# Altium PCB PROC054D_MMWCAS_RF_EVM.PcbDoc (part 7 of 14)
Units mil, origin at the board's own origin, x right, y up, seen from the top; angles counter-clockwise.
Board outline 6299.21 x 5370.07 mil, 8 copper layers (L1 TOP, L2 GND, L3 SIGNAL 1, L4 GND, L5 SIGNAL 2, L6 SIGNAL 3, L7 GND, L8 BOTTOM), stack 53.5 mil thick; 775 components, 552 nets, 2648 pads, 7845 vias.
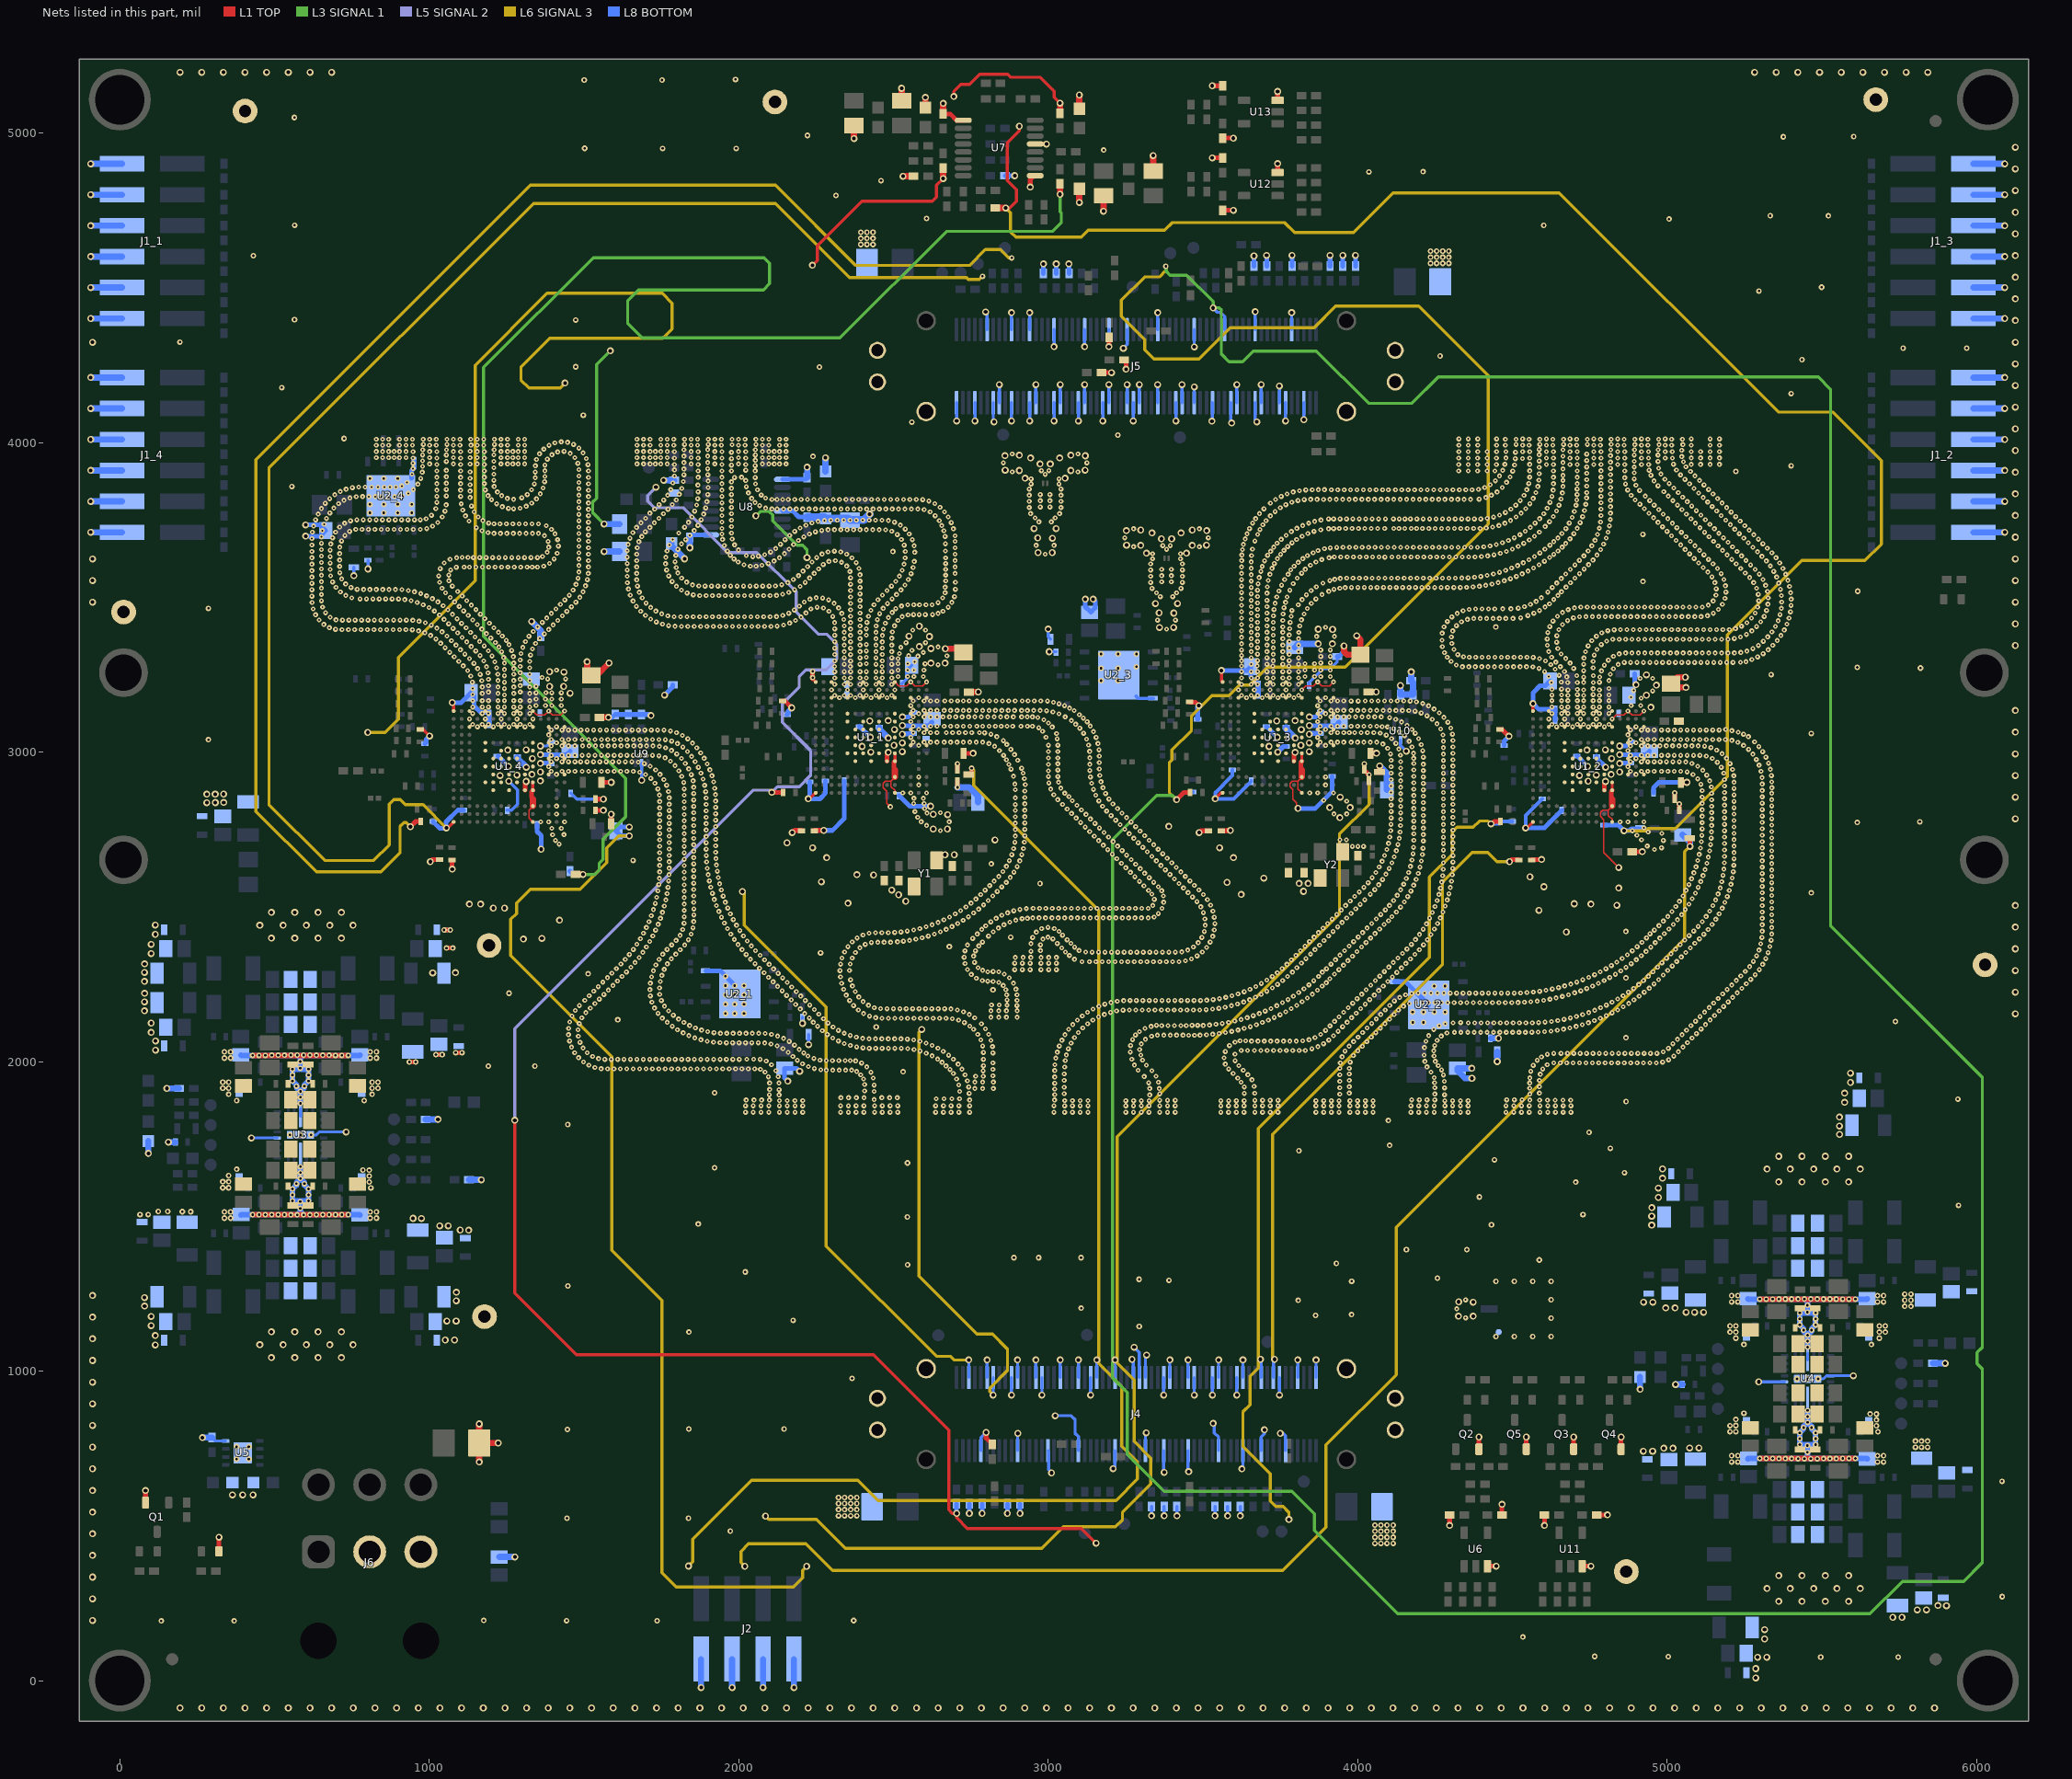
[diagram p13: the nets of this part, all layers, seen from the top]

## Via types
v1: diameter 13.77/15.74 (per signal layer), hole 5.9, L1 TOP to L2 GND, tented both sides, 5522 vias
v2: diameter 22.4, hole 12.2, L1 TOP to L8 BOTTOM, tented both sides, 1522 vias
v3: diameter 18, hole 8, L1 TOP to L8 BOTTOM, tented both sides, 727 vias
v4: diameter 18, hole 7.87, L1 TOP to L8 BOTTOM, tented top, 50 vias
v5: diameter 24, hole 12, L1 TOP to L8 BOTTOM, tented both sides, 13 vias
v6: diameter 19.68, hole 7.87, L1 TOP to L8 BOTTOM, tented top, 10 vias
v7: diameter 13.77/15.74 (per signal layer), hole 5.9, L1 TOP to L2 GND, tented top, 1 vias

## Nets (pads, with @x,y where several pads share a name; then routed paths per layer and width w, separated by ;. In a path a pad name is that pad's centre, name@x,y a point inside that pad or via, vN(x,y) a via of type N, cw(c..) or ccw(c..) an arc to the next point about the centre after c; other vN are vias at no path point) (continued)
GND: C1_1.2 C1_2.2 C1_3.2 C1_4.2 C2_1.2 C2_2.2 C2_3.2 C2_4.2 C3_1.2 C3_2.2 C3_3.2 C3_4.2 C4_1.2 C4_2.2 C4_3.2 C4_4.2 C5_1.2 C5_2.2 C5_3.2 C5_4.2 C6_1.2 C6_2.2 C6_3.2 C6_4.2 C7_1.2 C7_2.2 C7_3.2 C7_4.2 C8_1.2 C8_2.2 C8_3.2 C8_4.2 C9.2 C10.2 C11.2 C12.2 C13.2 C14.2 C15.2 C16.2 C17.2 C18.2 C19.2 C20.2 C21.2 C22.2 C23.2 C24.2 C25.2 C26.2 C27.2 C28.2 C29.2 C30.2 C31.2 C32.2 C33.2 C34.2 C35.2 C36.2 C39.2 C40.2 C41.2 C42.2 C43.2 C44.2 C45.2 C46.2 C47.2 C48.2 C51.2 C52.2 C53.2 C54.2 C55.2 C56.2 C57.2 C58.2 C59.2 C60.2 C61.2 C62.2 C63.2 C64.2 C65.2 C66.2 C67.2 C68.2 C69.2 C70.2 C71.2 C72.2 C73.2 C74.2 C75.2 C76.2 C77.2 C78.2 C79.2 C80.2 C81.2 C82.2 C83.2 C84.2 C85.2 C86.2 C87.2 C88.2 C89.2 C90.2 C91.2 C92.2 C93.2 C94.2 C97.2 C98.2 C99.2 C100.2 C101.2 C102.2 C103.2 C104.2 C105.2 C106.2 C109.2 C110.2 C111.2 C112.2 C113.2 C114.2 C115.2 C116.2 C117.2 C118.2 C119.2 C120.2 C121.2 C122.2 C123.2 C124.2 C125.2 C126.2 C127.2 C128_1.2 C128_2.2 C128_3.2 C128_4.2 C129_1.2 C129_2.2 C129_3.2 C129_4.2 C130_1.2 C130_2.2 C130_3.2 C130_4.2 C131_1.2 C131_2.2 C131_3.2 C131_4.2 C132_1.2 C132_2.2 C132_3.2 C132_4.2 C133_1.2 C133_2.2 C133_3.2 C133_4.2 C134_1.2 C134_2.2 C134_3.2 C134_4.2 C135_1.2 C135_2.2 C135_3.2 C135_4.2 C136_1.2 C136_2.2 C136_3.2 C136_4.2 C137_1.2 C137_2.2 C137_3.2 C137_4.2 C138_1.2 C138_2.2 C138_3.2 C138_4.2 C139_1.2 C139_2.2 C139_3.2 C139_4.2 C140_1.2 C140_2.2 C140_3.2 C140_4.2 C141_1.2 C141_2.2 C141_3.2 C141_4.2 C142_1.2 C142_2.2 C142_3.2 C142_4.2 C143_1.2 C143_2.2 C143_3.2 C143_4.2 C144_1.2 C144_2.2 C144_3.2 C144_4.2 C145_1.2 C145_2.2 C145_3.2 C145_4.2 C146_1.2 C146_2.2 C146_3.2 C146_4.2 C147_1.2 C147_2.2 C147_3.2 C147_4.2 C148_1.2 C148_2.2 C148_3.2 C148_4.2 C149.2 C150.2 C151.2 C152.2 C153.2 C154.2 C155.2 C156.2 C157.2 C158.2 C159.2 C160.2 C161.2 C162.2 C163.2 C164.2 C165.2 C166.2 C167.2 C168.1 C169.2 C170.2 C171.1 C172.2 C173.2 C174.2 C175.2 C176.2 C177.2 C178.1 C179.2 C180.1 C181.2 C182.2 C183.1 C184.2 C185.2 C186.2 C187.1 C188.2 C189.1 C190.2 C191.2 C192.2 C193.2 C194.2 C195.2 C196.2 C197.2 C198.2 C199.2 C200.2 C201.2 C202.2 C203.2 C204.2 C205.2 C206.2 C207.2 DS1.2 J1_1.2 J1_1.4 J1_1.6 J1_1.8 J1_1.10 J1_1.12 J1_2.2 J1_2.4 J1_2.6 J1_2.8 J1_2.10 J1_2.12 J1_3.2 J1_3.4 J1_3.6 J1_3.8 J1_3.10 J1_3.12 J1_4.2 J1_4.4 J1_4.6 J1_4.8 J1_4.10 J1_4.12 J2.2 J2.4 J2.6 J2.8 J3.2 J4.3 J4.6 J4.7 J4.10 J4.11 J4.14 J4.15 J4.18 J4.21 J4.23 J4.24 J4.27 J4.30 J4.31 J4.32 J4.35 J4.36 J4.39 J4.40 J4.43 J4.44 J4.47 J4.48 J4.51 J4.53 J4.54 J4.57 J4.60 J4.65 J4.71 J4.76 J4.81 J4.87 J4.92 J4.95 J4.99 J4.104 J4.108 J4.111 J4.115 J4.MH1 J4.MH2 J4.P1 J4.P2 J5.6 J5.10 J5.13 J5.17 J5.22 J5.26 J5.29 J5.34 J5.40 J5.45 J5.50 J5.56 J5.61 J5.64 J5.67 J5.68 J5.70 J5.73 J5.74 J5.77 J5.78 J5.81 J5.82 J5.85 J5.86 J5.89 J5.90 J5.91 J5.94 J5.97 J5.98 J5.100 J5.103 J5.106 J5.107 J5.110 J5.111 J5.114 J5.115 J5.118 J5.MH1 J5.MH2 J5.P3 J5.P4 J6.2 J6.3 Q1.2 Q2.2 Q3.2 Q4.2 Q5.2 R16_1.1 R16_2.1 R16_3.1 R16_4.1 R17_1.1 R17_2.1 R17_3.1 R17_4.1 R18_1.1 R18_2.1 R18_3.1 R18_4.1 R20.1 R36.1 R39.1 R40.1 R41.1 R42.1 R55.1 R57.1 R58.1 R60.1 R63.1 R64.1 R65.1 R66.1 R79.2 R81.1 R82.2 R83.2 R84.2 R85.2 R110.1 R111.1 R113.1 R124.1 R128.2 R129.1 R130.1 R131.1 R139.1 R144.1 R165.1 R182_1.1 R182_2.1 R182_3.1 R182_4.1 R183_1.1 R183_2.1 R183_3.1 R183_4.1 R184_1.1 R184_2.1 R184_3.1 R184_4.1 R185_1.1 R185_2.1 R185_3.1 R185_4.1 TP16.1 TP17.1 TP18.1 TP19.1 TP20.1 TP25.1 TP29.1 TP30.1 U1_1.A1 U1_1.A3 U1_1.A5 U1_1.A7 U1_1.A9 U1_1.A15 U1_1.B3 U1_1.B5 U1_1.B7 U1_1.B9 U1_1.B13 U1_1.B14 U1_1.C1 U1_1.C3 U1_1.C4 U1_1.C5 U1_1.C6 U1_1.C7 U1_1.C8 U1_1.C9 U1_1.C15 U1_1.D15 U1_1.E1 U1_1.E2 U1_1.E3 U1_1.E5 U1_1.E6 U1_1.E8 U1_1.E10 U1_1.E11 U1_1.E13 U1_1.E15 U1_1.F3 U1_1.F9 U1_1.F11 U1_1.G1 U1_1.G2 U1_1.G3 U1_1.G6 U1_1.G7 U1_1.G8 U1_1.G10 U1_1.H3 U1_1.H7 U1_1.H9 U1_1.H11 U1_1.J1 U1_1.J2 U1_1.J3 U1_1.J6 U1_1.J7 U1_1.J8 U1_1.J10 U1_1.K3 U1_1.K7 U1_1.K8 U1_1.K9 U1_1.K10 U1_1.K11 U1_1.L1 U1_1.L2 U1_1.L3 U1_1.L5 U1_1.L6 U1_1.L8 U1_1.L10 U1_1.M3 U1_1.N1 U1_1.N2 U1_1.N3 U1_1.R1 U1_1.R15 U1_2.A1 U1_2.A3 U1_2.A5 U1_2.A7 U1_2.A9 U1_2.A15 U1_2.B3 U1_2.B5 U1_2.B7 U1_2.B9 U1_2.B13 U1_2.B14 U1_2.C1 U1_2.C3 U1_2.C4 U1_2.C5 U1_2.C6 U1_2.C7 U1_2.C8 U1_2.C9 U1_2.C15 U1_2.D15 U1_2.E1 U1_2.E2 U1_2.E3 U1_2.E5 U1_2.E6 U1_2.E8 U1_2.E10 U1_2.E11 U1_2.E13 U1_2.E15 U1_2.F3 U1_2.F9 U1_2.F11 U1_2.G1 U1_2.G2 U1_2.G3 U1_2.G6 U1_2.G7 U1_2.G8 U1_2.G10 U1_2.H3 U1_2.H7 U1_2.H9 U1_2.H11 U1_2.J1 U1_2.J2 U1_2.J3 U1_2.J6 U1_2.J7 U1_2.J8 U1_2.J10 U1_2.K3 U1_2.K7 U1_2.K8 U1_2.K9 U1_2.K10 U1_2.K11 U1_2.L1 U1_2.L2 U1_2.L3 U1_2.L5 U1_2.L6 U1_2.L8 U1_2.L10 U1_2.M3 U1_2.N1 U1_2.N2 U1_2.N3 U1_2.R1 U1_2.R15 U1_3.A1 U1_3.A3 U1_3.A5 U1_3.A7 U1_3.A9 U1_3.A15 U1_3.B3 U1_3.B5 U1_3.B7 U1_3.B9 U1_3.B13 U1_3.B14 U1_3.C1 U1_3.C3 U1_3.C4 U1_3.C5 U1_3.C6 U1_3.C7 U1_3.C8 U1_3.C9 U1_3.C15 U1_3.D15 U1_3.E1 U1_3.E2 U1_3.E3 U1_3.E5 U1_3.E6 U1_3.E8 U1_3.E10 U1_3.E11 U1_3.E13 U1_3.E15 U1_3.F3 U1_3.F9 U1_3.F11 U1_3.G1 U1_3.G2 U1_3.G3 U1_3.G6 U1_3.G7 U1_3.G8 U1_3.G10 U1_3.H3 U1_3.H7 U1_3.H9 U1_3.H11 U1_3.J1 U1_3.J2 U1_3.J3 U1_3.J6 U1_3.J7 U1_3.J8 U1_3.J10 U1_3.K3 U1_3.K7 U1_3.K8 U1_3.K9 U1_3.K10 U1_3.K11 U1_3.L1 U1_3.L2 U1_3.L3 U1_3.L5 U1_3.L6 U1_3.L8 U1_3.L10 U1_3.M3 U1_3.N1 U1_3.N2 U1_3.N3 U1_3.R1 U1_3.R15 U1_4.A1 U1_4.A3 U1_4.A5 U1_4.A7 U1_4.A9 U1_4.A15 U1_4.B3 U1_4.B5 U1_4.B7 U1_4.B9 U1_4.B13 U1_4.B14 U1_4.C1 U1_4.C3 U1_4.C4 U1_4.C5 U1_4.C6 U1_4.C7 U1_4.C8 U1_4.C9 U1_4.C15 U1_4.D15 U1_4.E1 U1_4.E2 U1_4.E3 U1_4.E5 U1_4.E6 U1_4.E8 U1_4.E10 U1_4.E11 U1_4.E13 U1_4.E15 U1_4.F3 U1_4.F9 U1_4.F11 U1_4.G1 U1_4.G2 U1_4.G3 U1_4.G6 U1_4.G7 U1_4.G8 U1_4.G10 U1_4.H3 U1_4.H7 U1_4.H9 U1_4.H11 U1_4.J1 U1_4.J2 U1_4.J3 U1_4.J6 U1_4.J7 U1_4.J8 U1_4.J10 U1_4.K3 U1_4.K7 U1_4.K8 U1_4.K9 U1_4.K10 U1_4.K11 U1_4.L1 U1_4.L2 U1_4.L3 U1_4.L5 U1_4.L6 U1_4.L8 U1_4.L10 U1_4.M3 U1_4.N1 U1_4.N2 U1_4.N3 U1_4.R1 U1_4.R15 U2_1.4 U2_1.9 U2_2.4 U2_2.9 U2_3.4 U2_3.9 U2_4.4 U2_4.9 U3.4 U3.11 U3.17 U3.24 U3.27 U4.4 U4.11 U4.17 U4.24 U4.27 U5.4 U5.9 U6.3 U7.1 U7.9 U7.13 U8.1 U8.9 U8.13 U9.2 U10.2 U11.3 U12.3 U13.3 Y1.2 Y1.4 Y2.2 Y2.4 | length 97013.7
  L1 TOP w4: U1_4.E15@1334.67,2774.36 1322.17,2786.86 1322.17,2812.15 U1_4.E13@1335.11,2825.1 ; U1_4.E1@1334.67,3132.63 1347.46,3119.83 1373.04,3119.83 v1(1385.84,3132.63) 1398.64,3119.83 1424.22,3119.83 v1(1437.02,3132.63) ; v3(2490.03,2823.1) 2478.83,2834.3 2478.83,2873.17 2466.58,2885.42 2466.58,2899.13 2473.9,2906.45 2491.87,2906.45 ; U1_1.E15@2504.67,2868.36 2504.66,2876.28 2492.16,2888.78 2492.16,2906.16 U1_1.E13@2505.11,2919.1 ; U1_1.E1@2504.67,3226.63 2517.46,3213.83 2543.04,3213.83 v1(2555.84,3226.63) 2568.64,3213.83 2594.22,3213.83 v1(2607.02,3226.63) ; 3806.87,2906.45 3788.9,2906.45 3781.58,2899.13 3781.58,2888.42 3790.01,2879.99 3790.01,2876.99 3790.32,2876.68 3790.32,2847.83 3802.07,2836.08 3802.07,2823.61 v2(3807.43,2818.25) ; 3806.86,2906.75 U1_3.E13@3819.66,2919.55 ; 3807.16,2906.16 3807.16,2880.87 U1_3.E15@3819.67,2868.36 ; v1(3819.65,3201.04) 3832.45,3213.83 3858.04,3213.83 v1(3870.84,3226.63) 3883.64,3213.83 3909.22,3213.83 v1(3922.02,3226.63) ; 4809.87,2812.45 4791.9,2812.45 4784.58,2805.13 4784.58,2792.42 4795.84,2781.16 4795.84,2675.16 v2(4844,2627) ; U1_2.E15@4822.67,2774.36 4822.66,2782.04 4810.16,2794.54 4810.16,2813.04 U1_2.E13@4822.67,2825.54 ; v1(4822.65,3107.04) 4835.45,3119.83 4861.04,3119.83 v1(4873.84,3132.63) 4886.64,3119.83 4912.22,3119.83 v1(4925.02,3132.63)
  L1 TOP w10: C142_4.2@971.49,3073.71 979.29,3073.71 v2(1001,3052) ; v2(1055,2755) 1059.39,2755 U1_4.R15@1078.76,2774.36 ; v2(1074,3160) 1074,3159 1078.76,3154.24 U1_4.R1@1078.76,3132.63 ; v2(1276.21,1810.62) 1276.21,1252.63 1475.45,1053.39 2435.03,1053.39 2678.72,809.71 2678.72,551.71 2690.15,540.28 v2(2704.21,540.28) 2704.21,526.22 2739.03,491.4 3107.72,491.4 v2(3154.94,444.18) ; U1_4.E11@1334.67,2876.72 U1_4.E10@1334.67,2902.31 ; v2(2225,2849) 2229.39,2849 U1_1.R15@2248.76,2868.36 ; v2(2238.18,4572.97) 2253.52,4588.31 2253.52,4635.76 2397.99,4780.23 2625.19,4780.23 2638.72,4793.75 2638.72,4831.4 v2(2660.57,4853.25) ; v3@2238.94,3236.45 U1_1.R1@2248.76,3226.63 ; U1_1.E11@2504.67,2970.72 U1_1.E10@2504.67,2996.31 ; v2(2694.72,5118.56) 2694.72,5134.48 2718.04,5157.8 2746.02,5157.8 2778.24,5190.02 2869.82,5190.02 2879.64,5180.2 2974.34,5180.2 3019.01,5135.53 3019.01,5116.08 v2(3038.3,5096.79) ; v2(2862.9,4758.04) 2875.91,4758.04 2897.22,4779.35 2897.22,4816.55 2867.45,4846.32 2867.45,4968.24 2906.95,5007.73 v2(2906.95,5022.04) ; v2(3540,2849) 3559.37,2868.37 U1_3.R15@3563.76,2868.36 ; v2(3560,3264) 3560,3230.39 U1_3.R1@3563.76,3226.63 ; U1_3.E11@3819.67,2970.72 U1_3.E10@3819.67,2996.31 ; v2(4543,2755) 4547.39,2755 U1_2.R15@4566.76,2774.36 ; U1_2.R1@4566.76,3132.63 v2(4566.76,3157) ; U1_2.E11@4822.67,2876.73 U1_2.E10@4822.67,2902.32
  L1 TOP w15: Q1.2@83.04,575.13 v2(83.04,614.28) ; DS1.2@320.44,417.61 v2(320.44,463.54) ; v3(935.65,1998.68) v3(955.73,1998.68) ; v2(938.8,2759) 955.8,2776 C146_4.2@972.8,2776 ; v2(1003,2646) 1010,2653 C147_4.2@1033,2653 ; v3(1021.36,2022.88) v3(1041.44,2022.88) ; v3(1047.77,2425.1) v3(1067.85,2425.1) ; v3(1055.74,2366.96) v3(1075.82,2366.96) ; v2(1074,2621.58) C143_4.2@1074,2651.58 ; v3(1085.39,2028.93) v3(1105.47,2028.93) ; U1_4.F11@1309.07,2876.72 1309.07,2901.28 v2(1313.09,2905.3) ; 1334.66,2848.26 1334.66,2851.79 1331.09,2855.36 1331.09,2873.16 U1_4.E11@1334.67,2876.72 ; C132_4.2@1536.84,2812.06 v2(1562.37,2812.06) ; C131_4.2@1536.84,2848.02 v2(1562.37,2848.02) ; C3_4.2@1553.47,2902.31 C3_4.2@1556.55,2902.31 v2(1587.65,2902.31) ; C1_4.2@1587.76,2768.38 v2(1587.76,2799.08) ; v2(2107,2870) C146_1.2@2143.58,2870 ; C142_1.2@2141.49,3165.71 2148.29,3165.71 v2(2171,3143) ; v2(2173,2740) 2180,2747 C147_1.2@2203,2747 ; v3@2238.94,3236.45 v3(2238.94,3240.84) v3(2238.94,3260.92) ; C143_1.2@2244,2747 v2(2275,2747) ; U1_1.F11@2479.07,2970.72 2479.07,2995.28 v2(2483.09,2999.3) ; 2504.66,2942.26 2504.66,2945.79 2501.09,2949.36 2501.09,2967.16 U1_1.E11@2504.67,2970.72 ; C170.2@2660.57,5062.11 2683.18,5062.11 2703.79,5041.49 U7.1@2725.57,5041.49 ; v3(2706.84,2885.69) C132_1.2@2706.84,2906.06 ; C131_1.2@2706.84,2942.02 v3(2706.84,2962.39) ; C3_1.2@2726.55,2996.31 v2(2757.65,2996.31) ; C1_1.2@2742.78,2927.55 2748.78,2927.55 2752.78,2931.55 v3(2752.78,2947.92) ; v2(2799.43,801.89) 2799.43,783.81 R184_1.1@2820,763.24 ; v2(2942.06,4825.56) 2942.06,4849.52 2954.9,4862.36 U7.9@2957.85,4862.36 ; U7.13@2957.85,4964.72 v2(2994.73,4964.72) ; R182_4.1@3172.29,4226.15 v2(3204.44,4226.15) ; v2(3196.34,4310.12) R184_4.1@3196.34,4340.03 ; R183_4.1@3245.29,4267.15 3251.46,4260.98 v2(3251.46,4237.17) ; v2(3415,2845.99) 3439,2869.99 C146_3.2@3458.58,2870 ; C142_3.2@3457.49,3161.29 3475.71,3161.29 v2(3487,3150) ; v2(3488,2739.99) 3493.59,2745.58 C147_3.2@3518,2745.58 ; v2(3530.11,4919.87) C94.2@3564.27,4919.87 ; v2(3530.11,5152.92) C149.2@3564.27,5152.92 ; C143_3.2@3559,2745.58 3575.34,2745.58 3576.75,2746.99 v2(3589,2746.99) ; C164.2@3564.27,4750.58 v2(3598.42,4750.58) ; C165.2@3564.27,4983.63 v2(3598.42,4983.63) ; U12.3@3741.51,4872.63 v2(3741.51,4901.32) ; U13.3@3741.51,5105.67 v2(3741.51,5134.37) ; U1_3.F11@3794.07,2970.72 3794.07,2995.28 v2(3798.09,2999.3) ; 3819.66,2942.26 3819.66,2945.79 3816.09,2949.36 3816.09,2967.16 U1_3.E11@3819.67,2970.72 ; v3(4021.84,2962.39) C132_3.2@4021.84,2942.02 4021.84,2941.43 v3(4036.84,2926.43) C131_3.2@4036.84,2906.06 ; C4_3.2@4035.05,3194.3 v2(4060.01,3194.3) ; v2(4297.35,501.48) C162.2@4297.35,535.63 ; Q2.2@4391.79,747.96 v2(4391.79,787.12) ; U6.3@4419.39,369.58 v2(4447.63,369.58) ; v2(4431,2767.99) 4434,2767.99 4442,2775.99 C146_2.2@4461.58,2776 ; C143_2.2@4459.99,3073.71 4466.29,3073.71 v2(4489,3051) ; C205.2@4466.64,535.63 v2(4466.64,569.79) ; v2(4491,2646) 4498,2653 C147_2.2@4521,2653 ; Q5.2@4545.01,747.96 v2(4545.01,787.12) ; C142_2.2@4562,2653 v2(4594.6,2653) ; v2(4603.8,501.48) C163.2@4603.8,535.63 ; Q3.2@4698.24,747.96 v2(4698.24,787.12) ; U11.3@4725.84,369.58 v2(4754.08,369.58) ; C206.2@4773.09,535.63 v2(4807.24,535.63) ; U1_2.F11@4797.07,2876.73 4797.07,2901.28 v2(4801.09,2905.3) ; 4822.66,2848.26 4822.66,2851.79 4819.09,2855.36 4819.09,2873.16 U1_2.E11@4822.67,2876.73 ; Q4.2@4851.46,747.96 v2(4851.46,787.12) ; R129.1@4887.26,2678.08 v2(4919.89,2678.08) ; C131_2.2@5024.84,2848.02 v3(5024.84,2868.39) ; C132_2.2@5039.84,2812.06 v3(5039.84,2832.43) ; v2(5074.3,2695.45) C1_2.2@5074.3,2721.83
  L1 TOP w18: v3(429.13,1505.67) v3(449.72,1505.67) v3(470.3,1505.67) v3(696.77,1505.67) v3(717.36,1505.67) v3(737.95,1505.67) ; v3(429.13,2020.25) v3(449.72,2020.25) v3(470.3,2020.25) v3(696.77,2020.25) v3(717.36,2020.25) v3(737.95,2020.25) ; v3(5299.85,717.82) v3(5320.44,717.82) v3(5341.03,717.82) v3(5567.5,717.82) v3(5588.08,717.82) v3(5608.67,717.82) ; v3(5299.85,1232.4) v3(5320.44,1232.4) v3(5341.03,1232.4) v3(5567.5,1232.4) v3(5588.08,1232.4) v3(5608.67,1232.4)
  L1 TOP w20: v2(1161.36,706.2) C194.2@1161.36,767.73 ; v2(1161.36,829.27) C194.2@1161.36,767.73 ; v2(1222.9,767.73) C194.2@1161.36,767.73 ; U1_4.E13@1334.66,2825.55 1334.66,2848.26 ; R131.1@1472.35,2604.99 1472.48,2604.86 v2(1496.6,2604.86) ; v2(1510,3292) 1510,3261.9 C5_4.2@1523.9,3248 1541.11,3248 v2(1581,3287.89) ; C4_4.2@1550.05,3112.3 v2(1579.01,3112.3) ; v2(2372.39,4982.34) C169.2@2372.39,5024.49 ; U1_1.E13@2504.66,2919.55 2504.66,2942.26 ; C172.2@2526.41,5104.49 v2(2526.41,5144.71) ; v2(2531.11,4860.7) R111.1@2564.74,4860.7 ; C171.1@2603.2,5081.97 v2(2603.2,5115.2) ; v2(2660.57,4853.25) R113.1@2660.57,4886.89 ; C170.2@2660.57,5062.11 v2(2660.57,5095.75) ; v2(2667.72,3333.88) 2708.69,3333.88 C5_1.2@2720.58,3321.99 ; C4_1.2@2743.75,3194.3 v2(2774.01,3194.3) ; R124.1@2829.26,4758.04 v2(2862.9,4758.04) ; v2(3038.3,4802.35) C177.2@3038.3,4835.99 ; C179.2@3038.3,5063.15 v2(3038.3,5096.79) ; v2(3100.57,4775.82) C180.1@3100.57,4820.24 ; C178.1@3100.57,5078.9 v2(3100.57,5123.32) ; v2(3178.88,4747.74) C176.2@3178.88,4797.72 ; C175.2@3339.25,4877.72 v2(3339.25,4927.69) ; U1_3.E13@3819.66,2919.55 3819.66,2942.26 ; v2(3956.01,3343) 3956.01,3324.56 3965.57,3315 C5_3.2@4008.9,3315 4008.9,3364.11 v2(3997.01,3376) ; C3_3.2@4041.55,2996.31 v2(4060.98,2996.31) ; C1_3.2@4071.3,2935.83 v2(4071.3,2955.26) ; U1_2.E13@4822.66,2825.55 4822.66,2848.26 ; C5_2.2@5023.9,3209 C5_2.2@5024.4,3209 ; C5_2.2@5032.9,3242 C5_2.2@5033.4,3242 ; C3_2.2@5044.55,2902.32 v2(5063.98,2902.32) ; v2(5059.01,3242) C5_2.2@5033.4,3242 ; v2(5061.01,3209) C5_2.2@5024.4,3209 ; C5_2.2@5024.4,3209 C5_2.2@5012.4,3221 C5_2.2@5033.4,3242
  L3 SIGNAL 1 w10: v2(1496.6,2604.86) 1534.82,2604.86 1549.07,2619.11 1549.07,2640.97 1561.74,2653.64 1561.74,2718.45 1634.19,2790.89 1634.19,2915.19 1175.4,3373.98 1175.4,4242.81 1530.09,4597.5 2081.24,4597.5 2099.91,4578.84 2099.91,4513.4 2079.86,4493.35 1675.38,4493.35 1641.2,4459.18 1641.2,4385.13 1688.16,4338.17 2327.35,4338.17 2671.64,4682.46 3012.93,4682.46 3042.49,4712.01 3042.49,4741.62 3038.3,4745.81 v2(3038.3,4802.35) ; v2(1565.04,3737.01) 1528.14,3773.91 1528.14,3807.93 1540.62,3820.41 1540.62,4252.03 v2(1585.07,4296.48) ; v2(2055.22,3763.57) 2069.16,3777.51 2098.33,3777.51 2109.76,3766.07 2109.76,3747.19 2189.11,3667.84 2206.82,3667.84 2220.6,3654.06 v2(2220.6,3628.64) ; v3(3380.12,4569.57) 3380.12,4554.81 3394.25,4540.68 3447.6,4540.68 3533,4455.28 v2(3533,4435) 3553.28,4435 3559.52,4428.76 3559.52,4286.36 3584.58,4261.29 3627.97,4261.29 3662.27,4295.59 3866.56,4295.59 4035.24,4126.91 4175.52,4126.91 4260.9,4212.29 5488.71,4212.29 5528.29,4172.71 5528.29,2439.34 6018.9,1948.73 6018.9,1076.4 6002.23,1059.73 6002.23,1024 6018.9,1007.33 6018.9,380.58 5959.18,320.85 5760.45,320.85 5656.07,216.48 4129.23,216.48 3860.56,485.15 3860.56,538.76 3788.12,611.2 3375.2,611.2 3255.87,730.52 3255.87,930.64 3208.58,977.94 3208.58,1028.58 v2(3216.02,1036.02) 3208.58,1043.46 3208.58,2717.91 3350.1,2859.43 3401.56,2859.43 v2(3415,2845.99)
  L3 SIGNAL 1 w15: v3(935.65,1998.68) v3(955.73,1998.68) ; v3(1021.36,2022.88) v3(1041.44,2022.88) ; v3(1047.77,2425.1) v3(1067.85,2425.1) ; v3(1055.74,2366.96) v3(1075.82,2366.96) ; v3(1085.39,2028.93) v3(1105.47,2028.93) ; v3(2238.94,3240.84) v3(2238.94,3260.92)
  L5 SIGNAL 2 w10: v2(1276.21,1810.62) 1276.21,2105.92 2047.4,2877.11 2099.45,2877.11 v2@2105.97,2870.6 ; v2(1732.45,3856.27) 1705.55,3829.37 1705.55,3811 1727.03,3789.52 1820.05,3789.52 1964.61,3644.96 2058.58,3644.96 2185.32,3518.22 2185.32,3452.29 2256.62,3380.99 2284.38,3380.99 2317.07,3348.29 2317.07,3300.46 2282.56,3265.94 2217.15,3265.94 2195.43,3244.22 2195.43,3210.51 2140.68,3155.76 2140.68,3096.7 2232.53,3004.84 2232.53,2924.69 2196.25,2888.41 2125.41,2888.41 v2(2107,2870)
  L5 SIGNAL 2 w15: v3(935.65,1998.68) v3(955.73,1998.68) ; v3(1021.36,2022.88) v3(1041.44,2022.88) ; v3(1047.77,2425.1) v3(1067.85,2425.1) ; v3(1055.74,2366.96) v3(1075.82,2366.96) ; v3(1085.39,2028.93) v3(1105.47,2028.93) ; v3(2238.94,3240.84) v3(2238.94,3260.92)
  L6 SIGNAL 3 w10: v2(800.96,3063.54) 857.27,3063.54 900.58,3106.85 900.58,3306.44 1148.11,3553.97 1148.11,4249.67 1380.83,4482.39 1753.08,4482.39 1784.95,4450.52 1784.95,4367.49 1754.07,4336.61 1389.3,4336.61 1296.19,4243.5 1296.19,4202.42 1322.01,4176.6 1422.88,4176.6 v2(1438.59,4192.31) ; v2(938.8,2759) 925.98,2771.82 917.41,2771.82 905.29,2759.7 905.29,2674.52 843.54,2612.77 635.13,2612.77 439.66,2808.24 439.66,3944.35 1326.79,4831.48 2119.06,4831.48 2378.11,4572.43 2745.55,4572.43 2797.04,4623.91 2845.35,4623.91 2872.26,4597 v3(2882.47,4597) ; v2(1055,2755) 979.95,2830.05 922.89,2830.05 905.99,2846.95 885.8,2846.95 870.48,2831.63 870.48,2700.12 820.22,2649.86 662.67,2649.86 481.81,2830.73 481.81,3917.49 1337,4772.68 2118.43,4772.68 2358.26,4532.85 2736.27,4532.85 2741.8,4527.32 2777.75,4527.32 v3(2787.89,4537.46) ; v2(1646.2,2729.28) 1611.91,2729.28 1573.26,2690.63 1573.26,2643.14 1487.15,2557.03 1326.32,2557.03 1281.89,2512.59 1281.89,2478.52 1263.19,2459.82 1263.19,2342.31 1589.62,2015.89 1589.62,1390.67 1751.66,1228.63 1751.66,348.35 1797.45,302.57 2176.93,302.57 2206.04,331.68 2206.04,355.92 v2(2219.53,369.41) ; v2(1837.36,370.15) 1851.2,383.99 1851.2,456.66 2041.89,647.35 2385.29,647.35 2450.33,582.31 3219.28,582.31 3288.03,651.06 3288.03,706.45 3237.71,756.77 3237.71,949.79 3163.31,1024.19 3163.31,2488.08 2759.34,2892.05 2759.34,2941.37 v3(2752.78,2947.92) ; v2(2011.87,2549.41) 2018.17,2543.11 2018.17,2441.17 2282.51,2176.83 2282.51,1403.81 2638.42,1047.9 2683.68,1047.9 2695.55,1036.02 v2(2743.58,1036.02) ; v2(2019.53,369.41) 2007.09,381.85 2007.09,417.61 2031.52,442.03 2217.43,442.03 2303.69,355.78 3758.2,355.77 3897.72,495.29 3897.72,761.45 4124.44,988.18 4124.45,1464.53 5056.89,2396.97 5056.89,2631.3 5056.89,2678.04 v2(5074.3,2695.45) ; v2(2086.8,531.49) 2097.08,521.21 2250.96,521.21 2345.12,427.06 2979.3,427.06 3049.53,497.28 3217.33,497.28 3240.22,520.17 3240.22,544.18 3331.72,635.68 3331.72,719.16 3277.39,773.49 3277.39,971.45 3222.47,1026.37 3222.47,1757.53 3941.28,2476.34 3941.28,2735.24 4036.84,2830.8 v3(4036.84,2926.43) ; v2(2591.52,2104.18) 2582.57,2095.24 2582.57,1307.06 2770.06,1119.57 2820,1119.57 2868.52,1071.05 2868.52,1002.17 2811.07,944.73 2811.07,933.71 v2(2822.32,922.46) ; v2(2862.9,4758.04) 2878.45,4742.49 2878.45,4680.66 2895.65,4663.46 3106.72,4663.46 3129.06,4685.81 3376,4685.81 3401,4710.81 3764.03,4710.81 3796.08,4678.76 3986.67,4678.76 4114.55,4806.64 4651.17,4806.64 5359.21,4098.6 5535.27,4098.6 5692.52,3941.35 5692.52,3671.89 5639.89,3619.25 5435.52,3619.25 5194.65,3378.39 5194.65,2920.74 5027.25,2753.34 4938.98,2753.34 4931.64,2746.01 v2(4860.82,2746.01) ; v3(3380.12,4569.57) 3380.12,4556.54 3358.95,4535.36 3311.52,4535.36 3236.66,4460.49 3236.66,4407.89 3311.84,4332.72 3311.84,4300.31 3341.54,4270.6 3488.03,4270.6 3589.08,4371.66 3859.69,4371.66 3929.25,4441.22 4197.12,4441.22 4422.08,4216.26 4422.08,3737.37 3959.34,3274.63 3709.05,3274.63 3650.78,3216.36 3618.13,3216.36 3584.06,3182.28 3528.83,3182.28 3496.55,3150 v2(3487,3150) 3487,3140.45 3463.06,3116.52 3463.06,3070.15 3399.95,3007.03 3399.95,2974.27 3391.48,2965.8 3391.48,2869.51 v2(3415,2845.99) ; v2(3731.7,1038.1) 3725.03,1044.78 3725.03,1764.63 4274.43,2314.03 4274.43,2580.67 4369.72,2675.95 4420.86,2675.95 4450.81,2646 v2(4491,2646) ; v2(3777.97,520.49) 3777.97,543.53 3759.26,562.24 3736.2,562.24 3718.05,580.39 3718.05,667.93 3629.16,756.81 3629.16,867.94 3652.2,890.97 3652.2,982.91 3679.32,1010.04 3679.32,1783.72 4231.84,2336.23 4231.84,2596.33 4305.96,2670.46 4305.96,2741.62 4321.8,2757.46 4373.57,2757.46 4393.5,2777.39 4421.6,2777.39 v2(4431,2767.99)
  L6 SIGNAL 3 w15: v3(935.65,1998.68) v3(955.73,1998.68) ; v3(1021.36,2022.88) v3(1041.44,2022.88) ; v3(1047.77,2425.1) v3(1067.85,2425.1) ; v3(1055.74,2366.96) v3(1075.82,2366.96) ; v3(1085.39,2028.93) v3(1105.47,2028.93) ; v3(2238.94,3240.84) v3(2238.94,3260.92)
  L8 BOTTOM w9: v2(425.36,1753.12) U3.17@508.73,1753.12 ; v6(583.54,1762.96) v6(617.79,1762.96) 634.44,1762.96 644.28,1772.8 U3.4@658.34,1772.8 v2(731.45,1772.8) ; v2(5296.09,965.26) U4.17@5379.46,965.26 ; v6(5454.26,975.11) v6(5488.51,975.11) 5505.16,975.11 5515.01,984.95 U4.4@5529.07,984.95 v2(5602.17,984.95)
  L8 BOTTOM w10: C9.2@297.71,785.11 308.66,774.16 U5.4@342,774.16 ; U3.24@583.54,1823.59 U3.24@583.54,1846.14 ; v2(756.26,3570.06) C7_4.2@756.26,3596.9 ; v2(802,3591.8) C8_4.2@802,3619.4 ; C135_4.2@1251.3,2812 1266.07,2812 1285.62,2831.55 1285.62,2877.38 v2(1257.08,2905.92) ; v2(1358.99,3019.7) 1379.57,3019.7 C140_4.2@1394.98,3035.11 ; C134_4.2@1457.23,2867 1476.2,2848.02 v2(1562.37,2848.02) ; v2(1686.31,2909.08) U9.2@1686.31,2964.56 ; v2(2205.91,2123.64) C8_1.2@2205.91,2143.45 ; v2(2225.91,2055.13) C7_1.2@2225.91,2087.69 ; C128_1.2@2527.72,3221.01 2542.27,3235.56 2542.27,3264.12 C130_1.2@2558.95,3280.8 ; v2(2704.21,4070.21) J5.61@2704.21,4128.84 ; J4.3@2743.58,979.24 v2(2743.58,1036.02) ; v2(2763.27,4070.21) J5.64@2763.27,4128.84 ; J4.65@2782.95,743.02 2782.95,785.41 v2(2799.43,801.89) ; v2(2798,4422) 2802.64,4417.36 J5.6@2802.64,4365.06 ; J4.6@2802.64,979.24 v2(2802.64,1036.02) ; v2(2822.32,922.46) J4.7@2822.32,979.24 ; J5.67@2822.32,4128.84 2822.32,4069.68 v2(2825,4067) ; J5.68@2842.01,4128.84 v2(2842.01,4187.47) ; v2(2881.38,922.46) J4.10@2881.38,979.24 ; v2(2881.38,4070.21) J5.70@2881.38,4128.84 ; J5.10@2881.38,4365.06 v2(2881.38,4420) ; J4.71@2901.06,743.02 2901.06,798.94 2901.12,799 v2(2902,799) ; J4.11@2901.06,979.24 v2(2901.06,1036.02) ; v2(2940.43,4070.21) J5.73@2940.43,4128.84 ; J5.13@2940.43,4365.06 v2(2940.43,4420) ; J4.14@2960.12,979.24 v2(2960.12,1036.02) ; J5.74@2960.12,4128.84 v2(2960.12,4187.47) ; v2(2979.8,922.46) J4.15@2979.8,979.24 ; J4.76@2999.49,743.02 3001,741.51 3001,681 v2(3011,671) ; v2(2999.93,3397.45) 2999.93,3372.79 C7_3.2@3007.86,3364.87 ; v2(3003.35,3324.4) C8_3.2@3025.36,3324.4 ; v2(3019.17,4070.21) J5.77@3019.17,4128.84 ; v2(3019.17,4310.12) J5.17@3019.17,4365.06 ; v2(3023,856) 3074,856 3087,843 3087,799.01 3097.91,788.1 J4.81@3097.91,743.02 ; J4.18@3038.86,979.24 v2(3038.86,1036.02) ; J5.78@3038.86,4128.84 v2(3038.86,4187.47) ; J4.21@3097.91,979.24 v2(3097.91,1036.02) ; v2(3097.91,4070.21) J5.81@3097.91,4128.84 ; J5.82@3117.6,4128.84 v2(3117.6,4187.47) ; v2(3117.6,4310.12) J5.22@3117.6,4365.06 ; v2(3137.28,922.46) J4.23@3137.28,979.24 ; J4.24@3156.97,979.24 v2(3156.97,1036.02) ; v2(3176.65,4070.21) J5.85@3176.65,4128.84 ; J5.86@3196.34,4128.84 v2(3196.34,4187.47) ; v2(3196.34,4310.12) J5.26@3196.34,4365.06 ; v2(3210,685) 3216.02,691.02 J4.87@3216.02,743.02 ; J4.27@3216.02,979.24 v2(3216.02,1036.02) ; v2(3243,4305) 3255.39,4317.39 J5.29@3255.39,4365.06 ; J5.89@3255.39,4128.84 v2(3255.39,4187.47) ; v2(3271,1038) 3271,1036 3275.08,1031.92 J4.30@3275.08,979.24 ; v2(3275.08,4070.21) J5.90@3275.08,4128.84 ; v2(3278,1077) 3294.76,1060.24 J4.31@3294.76,979.24 ; U2_3.9@3283,3180.95 3289.95,3174 U2_3.9@3291.91,3174 ; U2_3.9@3284.96,3180.95 U2_3.9@3291.91,3174 ; J5.91@3294.76,4128.84 v2(3294.76,4187.47) ; J4.92@3314.45,743.02 3314.45,798.94 3314.94,798.94 v2(3317,801) ; J4.32@3314.45,979.24 3314.45,1048.45 v2(3318,1052) ; v2(3334,532.56) R184_2.1@3334,563.18 ; U2_3.4@3340.16,3174 U2_3.4@3338.2,3174 U2_3.9@3291.91,3174 ; J5.94@3353.82,4128.84 v2(3353.82,4187.47) ; J5.34@3353.82,4365.06 3353.82,4419.82 v2(3354,4420) ; J4.95@3373.5,743.02 3373.5,674.5 v2(3375,673) ; v2(3373.5,922.46) J4.35@3373.5,979.24 ; v2(3375,532.56) R183_2.1@3375,563.18 ; J4.36@3393.19,979.24 v2(3393.19,1036.02) ; v2(3412.87,4070.21) J5.97@3412.87,4128.84 ; v2(3416,532.56) R182_2.1@3416,563.18 ; J5.98@3432.56,4128.84 v2(3432.56,4187.47) ; J4.99@3452.24,743.02 3452.24,676.76 v2(3454,675) ; J4.39@3452.24,979.24 v2(3452.24,1036.02) ; v2(3471.93,922.46) J4.40@3471.93,979.24 ; J5.100@3471.93,4128.84 v2(3471.93,4179.75) ; v2(3471.93,4309) J5.40@3471.93,4365.06 ; v2(3529,4069) 3530.98,4070.98 J5.103@3530.98,4128.84 ; v2(3530.98,922.46) J4.43@3530.98,979.24 ; v2(3533,831) 3537,827 3537,800 3550.67,786.33 J4.104@3550.67,743.02 ; v2(3533,4435) 3547,4421 3556,4421 3570.35,4406.65 J5.45@3570.35,4365.06 ; v2(3539,532.56) R16_2.1@3539,563.18 ; J4.44@3550.67,979.24 v2(3550.67,1036.02) ; v2(3580,532.56) R17_2.1@3580,563.18 ; J5.106@3590.04,4128.84 3590.04,4065.96 v2(3593,4063) ; v2(3609.72,922.46) J4.47@3609.72,979.24 ; J5.107@3609.72,4128.84 v2(3609.72,4187.47) ; v2(3621,532.56) R18_2.1@3621,563.18 ; v2(3626.15,683.84) 3629.41,687.1 J4.108@3629.41,743.02 ; J4.48@3629.41,979.24 v2(3629.41,1036.02) ; J5.110@3668.78,4128.84 3668.78,4072.22 v2(3674,4067) ; J5.50@3668.78,4365.06 3668.78,4418.78 3669,4419 v2(3669,4423) ; v2(3686,1038) 3688.46,1035.54 J4.51@3688.46,979.24 ; J4.111@3688.46,743.02 3688.46,786.27 3699.02,796.83 v2(3699.02,810.32) ; J5.111@3688.46,4128.84 v2(3688.46,4187.47) ; J4.53@3727.83,979.24 3727.83,1034.23 v2(3731.7,1038.1) ; v2(3747,4183) 3747.52,4182.48 J5.114@3747.52,4128.84 ; v2(3747.52,922.46) J4.54@3747.52,979.24 ; v2(3750,799) 3759.45,799 3767.2,791.25 J4.115@3767.2,743.02 ; v2(3767.2,4070.21) J5.115@3767.2,4128.84 ; J5.56@3786.89,4365.06 v2(3786.89,4420) ; J4.57@3806.57,979.24 v2(3806.57,1036.02) ; v2(3826.26,4074) J5.118@3826.26,4128.84 ; C129_3.2@3842.72,3216.01 3842.72,3223.86 3888.84,3269.98 3912.76,3269.98 3933.9,3291.11 R83.2@3933.9,3308.75 ; J4.60@3865.63,979.24 v2(3865.63,1036.02) ; U10.2@4138.47,3038.55 4138.47,3021.98 v2(4157.16,3003.28) ; U4.24@5454.26,1035.74 U4.24@5454.26,1058.28
  L8 BOTTOM w12: v2(3415,2845.99) 3440.01,2871 C148_3.2@3466.95,2871 ; C145_3.2@3595.75,2942.9 3595.75,2924.6 3540,2868.85 v2(3540,2849) 3599.3,2849 C135_3.2@3656.3,2906 ; v2(4431,2767.99) 4458.17,2767.99 4465.76,2775.58 C148_2.2@4500,2775.58 ; v2(4543,2755) 4543,2795.6 C144_2.2@4596.3,2848.9
  L8 BOTTOM w15: v2(600.47,3697.65) 646.98,3697.65 C6_4.2@665.16,3715.83 646.98,3734.01 v2(600.47,3734.01) ; U2_4.9@943.11,3884.1 943.11,3909.04 950.89,3916.82 U2_4.4@950.89,3938.33 U2_4.4@950.89,3940.3 ; R185_4.1@985.9,3027 990.22,3031.32 990.22,3041.21 v2(1001,3052) ; C148_4.2@1012,2775.58 1033.31,2754.27 1054.27,2754.27 1054.27,2774.28 1092.34,2812.35 C144_4.2@1110.64,2812.35 ; v2(1074,3160) 1103,3160 C139_4.2@1135.03,3192.04 1144.92,3182.15 1144.92,3149.1 1166.4,3127.62 1191.27,3127.62 C138_4.2@1194.09,3124.8 C137_4.2@1194.09,3090.18 ; C129_4.2@1222.4,2986.99 v2(1255.39,2954) ; C145_4.2@1348.51,2765.53 1348.51,2743.47 1361.52,2730.45 v2(1361.52,2686.08) ; v2(1358.79,2963.7) 1360.18,2965.09 1389.62,2965.09 C2_4.2@1393,2961.71 ; v2(1358.99,2991.7) 1443.71,2991.7 C141_4.2@1454.98,3002.97 ; R84.2@1454.53,2615.6 1465.26,2604.86 v2(1496.6,2604.86) ; v2(1579.01,3112.3) 1591.13,3112.3 R165.1@1600.31,3121.47 C196.2@1643.31,3121.46 C195.2@1686.31,3121.45 1713.07,3121.45 v2(1716.31,3118.21) ; v2(1646.2,2729.28) 1619.35,2729.28 C133_4.2@1602.63,2745.99 1614.35,2757.71 v2(1646.2,2757.71) ; v2(1760.21,3184.24) 1786.57,3210.6 C197.2@1786.57,3217.44 ; C182.2@1841.77,3693.88 1849.72,3701.82 U8.1@1908.9,3701.82 ; U2_1.4@1893.07,2293.45 1940.27,2293.45 U2_1.9@1985.27,2248.45 ; U8.13@2141.18,3778.59 2175.06,3778.59 2194.18,3759.47 C186.2@2220.98,3759.47 ; U8.9@2141.18,3880.96 2215.27,3880.96 C188.2@2220.98,3886.67 ; R185_1.1@2155.9,3121 2160.36,3125.47 2160.36,3132.37 v2(2171,3143) ; v2(2158.35,1936.85) 2148.35,1946.85 C6_1.2@2148.35,1978.54 2186.78,1978.54 v2(2196.78,1968.54) ; C148_1.2@2229,2904.28 2229,2853 v2(2225,2849) 2261.98,2849 2280.64,2867.66 C145_1.2@2280.64,2906.35 ; v2(2275,2747) 2302.8,2747 2341.3,2785.5 C135_1.2@2341.3,2906 ; C129_1.2@2389.89,3083.11 2390.28,3083.11 v2(2425.39,3048) ; C144_1.2@2518.51,2859.53 2553.04,2825.01 v2(2619.99,2825.01) ; v2(2528.79,3057.7) 2530.18,3059.09 C2_1.2@2563.59,3059.09 ; v2(2528.99,3085.7) 2613.71,3085.7 C141_1.2@2624.98,3096.97 ; v2(2528.99,3113.7) 2549.57,3113.7 C140_1.2@2564.98,3129.11 ; v2(2704.21,540.28) R16_1.1@2704.21,570.9 ; v2(2745.21,540.28) R17_1.1@2745.21,570.9 ; v2(2786.21,540.28) R18_1.1@2786.21,570.9 ; R110.1@2860.62,4862.36 v2(2892.21,4862.36) ; v2(2868.21,540.28) R183_1.1@2868.21,570.9 ; v2(2909.21,540.28) R182_1.1@2909.21,570.9 ; R18_4.1@2985,4546.21 v2(2985,4577.44) ; R17_4.1@3026,4546.21 v2(3026,4577.44) ; R16_4.1@3067,4546.21 v2(3067,4577.44) ; v2(3119.74,3494.24) 3119.74,3470.18 3137.93,3452 3151.8,3465.88 3151.8,3487.89 v2(3145.45,3494.24) ; R185_3.1@3482.96,3106.54 3482.96,3145.96 v2(3487,3150) ; v2(3560,3264) 3642.15,3264 C139_3.2@3654.19,3276.04 3654.19,3243.7 C137_3.2@3679.09,3218.8 C138_3.2@3679.09,3184.18 ; R182_3.1@3665,4570.25 v2(3665,4603.03) ; C128_3.2@3705.79,3082.59 v2(3740.39,3048) ; R183_3.1@3706,4570.25 v2(3706,4604.76) ; v2(3742.08,2999.92) 3760.43,3018.27 C144_3.2@3769.06,3018.27 ; R184_3.1@3788,4570.25 v2(3788,4604.76) ; v2(3807.43,2818.25) 3863.13,2818.25 3918.09,2873.22 C134_3.2@3918.09,2922 ; v2(3843.79,3057.7) 3846.6,3060.51 C2_3.2@3878.59,3060.51 ; v2(3843.99,3085.7) 3928.71,3085.7 C141_3.2@3939.98,3096.97 ; v2(3843.99,3113.7) 3864.57,3113.7 C140_3.2@3879.98,3129.11 ; R18_3.1@3911,4570.25 v2(3911,4604.76) ; R83.2@3933.9,3308.75 3939.2,3308.75 3956.01,3325.55 v2(3956.01,3343) ; R17_3.1@3952,4570.25 v2(3952,4604.76) ; R16_3.1@3993,4570.25 v2(3993,4604.76) ; U2_2.4@4119.72,2258.17 4154.96,2258.17 U2_2.9@4229.96,2183.17 ; R185_2.1@4473.9,3021.05 4473.9,3035.9 v2(4489,3051) ; v2(4543,2755) 4603.72,2755 C135_2.2@4660.72,2812 ; C139_2.2@4621.99,3229.77 4606.5,3214.27 4589.48,3214.27 4566.76,3191.55 v2(4566.76,3157) 4585.61,3138.15 C138_2.2@4639,3138.15 C137_2.2@4639,3103.53 ; C129_2.2@4708.28,2989.11 v2(4743.39,2954) ; C136_2.2@4772.38,2987.49 C136_2.2@4772.38,2986.07 4772.38,2980.41 v2(4801.54,2951.25) ; C145_2.2@4796.51,2763.84 4842.99,2763.84 v2(4860.82,2746.01) 4878.71,2746.01 4885.14,2752.44 R79.2@4912.16,2752.44 ; v2(4846.79,2963.7) 4848.18,2965.09 C2_2.2@4881.59,2965.09 ; v2(4846.99,2991.7) 4931.71,2991.7 C141_2.2@4942.98,3002.97 ; v2(4846.99,3019.7) 4867.57,3019.7 C140_2.2@4882.98,3035.11 ; R82.2@4895.5,3253.5 4895.5,3221.66 v2(4899.7,3217.46) ; C134_2.2@4956.09,2868 4956.09,2885.08 4973.33,2902.32 v2(5063.98,2902.32)
  L8 BOTTOM w18: C65.2@391.09,1504.33 C65.2@392.43,1505.67 v3(429.13,1505.67) v3(449.72,1505.67) v3(470.3,1505.67) v3(696.77,1505.67) v3(717.36,1505.67) v3(737.95,1505.67) 774.64,1505.67 C62.2@775.98,1504.33 ; C68.2@391.09,2021.59 392.43,2020.25 v3(429.13,2020.25) v3(449.72,2020.25) v3(470.3,2020.25) v3(696.77,2020.25) v3(717.36,2020.25) v3(737.95,2020.25) 774.64,2020.25 C66.2@775.98,2021.59 ; v3(573.24,1504.88) 582.99,1514.63 v3(582.99,1547.37) 580.14,1550.22 v3(557.96,1550.22) v3(557.96,1569.4) v3(557.96,1588.57) 570.55,1601.17 v3(570.55,1605.34) 570.55,1609.22 v3(583.54,1622.21) ; v3(573.24,2021.04) 582.99,2011.29 v3(582.99,1978.55) 580.14,1975.71 v3(557.96,1975.71) v3(557.96,1956.53) v3(557.96,1937.35) 570.55,1924.75 v3(570.55,1920.58) 570.55,1916.7 v3(583.54,1903.71) ; 583.23,1514.63 v3@592.98,1504.88 ; 583.23,2011.29 v3@592.98,2021.04 ; v3@584.08,1547.37 586.93,1550.22 609.12,1550.22 609.12,1588.57 596.53,1601.17 596.53,1609.22 v3(583.54,1622.21) ; v3@584.08,1978.55 586.93,1975.71 609.12,1975.71 609.12,1937.35 596.53,1924.75 596.53,1916.7 v3(583.54,1903.71) ; C123.2@5261.82,716.48 C123.2@5263.16,717.82 v3(5299.85,717.82) v3(5320.44,717.82) v3(5341.03,717.82) v3(5567.5,717.82) v3(5588.08,717.82) v3(5608.67,717.82) 5645.37,717.82 C120.2@5646.71,716.48 ; C126.2@5261.82,1233.73 5263.16,1232.4 v3(5299.85,1232.4) v3(5320.44,1232.4) v3(5341.03,1232.4) v3(5567.5,1232.4) v3(5588.08,1232.4) v3(5608.67,1232.4) 5645.37,1232.4 C124.2@5646.71,1233.73 ; v3(5443.97,717.03) 5453.72,726.78 v3(5453.72,759.51) 5450.87,762.36 v3(5428.68,762.36) v3(5428.68,781.54) v3(5428.68,800.72) 5441.27,813.31 v3(5441.27,817.49) 5441.27,821.37 v3(5454.26,834.36) ; v3(5443.97,1233.18) 5453.72,1223.44 v3(5453.72,1190.7) 5450.87,1187.85 v3(5428.68,1187.85) v3(5428.68,1168.67) v3(5428.68,1149.49) 5441.27,1136.9 v3(5441.27,1132.73) 5441.27,1128.85 v3(5454.26,1115.86) ; 5453.95,726.78 v3@5463.7,717.03 ; 5453.95,1223.44 v3@5463.7,1233.18 ; v3@5454.81,759.51 5457.66,762.36 5479.84,762.36 5479.84,800.72 5467.25,813.31 5467.25,821.37 v3(5454.26,834.36) ; v3@5454.81,1190.7 5457.66,1187.85 5479.84,1187.85 5479.84,1149.49 5467.25,1136.9 5467.25,1128.85 v3(5454.26,1115.86) ; v3(583.54,1622.21) v3(583.54,1660.57) v3(583.54,1641.23) v3(583.54,1622.21) ; v3(583.54,1903.71) v3(583.54,1865.36) v3(583.54,1884.69) v3(583.54,1903.71) ; v3(5454.26,834.36) v3(5454.26,872.71) v3(5454.26,853.38) v3(5454.26,834.36) ; v3(5454.26,1115.86) v3(5454.26,1077.5) v3(5454.26,1096.84) v3(5454.26,1115.86)
  L8 BOTTOM w20: v2(-94.21,3710.13) J1_4.12@7.32,3710.13 ; v2(-94.21,3810.13) J1_4.10@7.32,3810.13 ; v2(-94.21,3910.13) J1_4.8@7.32,3910.13 ; v2(-94.21,4010.13) J1_4.6@7.32,4010.13 ; v2(-94.21,4110.13) J1_4.4@7.32,4110.13 ; v2(-94.21,4210.13) J1_4.2@7.32,4210.13 ; v2(-94.21,4400.95) J1_1.12@7.32,4400.95 ; v2(-94.21,4500.95) J1_1.10@7.32,4500.95 ; v2(-94.21,4600.95) J1_1.8@7.32,4600.95 ; v2(-94.21,4700.95) J1_1.6@7.32,4700.95 ; v2(-94.21,4800.95) J1_1.4@7.32,4800.95 ; v2(-94.21,4900.95) J1_1.2@7.32,4900.95 ; v2(92.28,1703.18) R36.1@92.28,1743.05 ; v2(151.69,1913.4) R58.1@191.56,1913.4 ; v2(156.7,1739.74) C63.2@179.53,1739.74 ; v2(267.04,785.11) C9.2@297.71,785.11 ; R57.1@988.28,1813.25 v2(1028.15,1813.25) ; R55.1@1128.33,1618.2 v2(1168.2,1618.2) ; R20.1@1226.16,399.66 v2(1276.75,399.66) ; C136_4.2@1284.38,2983.06 1284.38,2980.41 v2(1313.54,2951.25) ; v2(1330.65,3422.31) 1360.26,3392.7 R85.2@1360.26,3374.45 ; v2(1565.04,3648.2) C181.2@1615.02,3648.2 ; v2(1565.04,3737.01) C184.2@1615.02,3737.01 ; v2(1757.5,3878.29) R139.1@1791.14,3878.29 ; C183.1@1783.09,3674.02 1783.09,3666.62 v2(1825.24,3624.48) ; v2(1841.77,3660.24) C182.2@1841.77,3693.88 ; v2(1878.45,-22.62) J2.2@1878.45,69.62 ; v2(1978.45,-22.62) J2.4@1978.45,69.62 ; v2(2078.45,-22.62) J2.6@2078.45,69.62 ; v2(2178.45,-22.62) J2.8@2178.45,69.62 ; C188.2@2220.98,3886.67 v2(2220.98,3920.31) ; C189.1@2280.22,3906.53 v2(2280.22,3950.95) ; C136_1.2@2454.38,3080.07 2454.38,3074.41 v2(2483.54,3045.25) ; v3(2706.84,2885.69) 2745.27,2885.69 2773.28,2857.68 C133_1.2@2773.28,2837.89 ; C136_3.2@3769.38,3080.07 3769.38,3074.41 v2(3798.54,3045.25) ; C130_3.2@3796.42,3338.44 3807.71,3349.73 v2(3872.5,3349.73) ; v2(4071.3,2955.26) 4094.55,2932.01 C133_3.2@4094.55,2878.26 ; v2(4138.47,3215.14) C199.2@4138.47,3185.83 C200.2@4179.47,3185.83 4179.47,3224.46 C198.2@4173.22,3230.71 v2(4173.22,3259.25) ; v2(4369.17,1978.16) C6_2.2@4322.67,1978.16 4322.67,1970.46 4347.05,1946.08 v2(4369.4,1946.08) ; C8_2.2@4431.59,2075.26 v2(4455.14,2075.26) ; v2(4451.14,2000.35) C7_2.2@4451.14,2031.28 ; v2@4716.45,2924.56 v2(4716.79,2924.22) ; v2(4912.9,941.32) R60.1@4912.9,981.19 ; v2(5027.42,956.89) C121.2@5050.26,956.89 ; C133_2.2@5050.19,2732.64 5074.3,2708.53 v2(5074.3,2695.45) ; R81.1@5859,1025.4 v2(5898.87,1025.4) ; J1_2.2@5989.68,3710.13 v2(6091.21,3710.13) ; J1_2.4@5989.68,3810.13 v2(6091.21,3810.13) ; J1_2.6@5989.68,3910.13 v2(6091.21,3910.13) ; J1_2.8@5989.68,4010.13 v2(6091.21,4010.13) ; J1_2.10@5989.68,4110.13 v2(6091.21,4110.13) ; J1_2.12@5989.68,4210.13 v2(6091.21,4210.13) ; J1_3.2@5989.68,4400.95 v2(6091.21,4400.95) ; J1_3.4@5989.68,4500.95 v2(6091.21,4500.95) ; J1_3.6@5989.68,4600.95 v2(6091.21,4600.95) ; J1_3.8@5989.68,4700.95 v2(6091.21,4700.95) ; J1_3.10@5989.68,4800.95 v2(6091.21,4800.95) ; J1_3.12@5989.68,4900.95 v2(6091.21,4900.95)
  L8 BOTTOM w25: C186.2@2220.98,3759.47 2276.12,3759.47 C187.1@2280.22,3755.36 2353.8,3755.36 C185.2@2359.46,3749.7 2404.17,3749.7 v2(2423.25,3768.78)